# KiCad board pcb.kicad_pcb (continued)
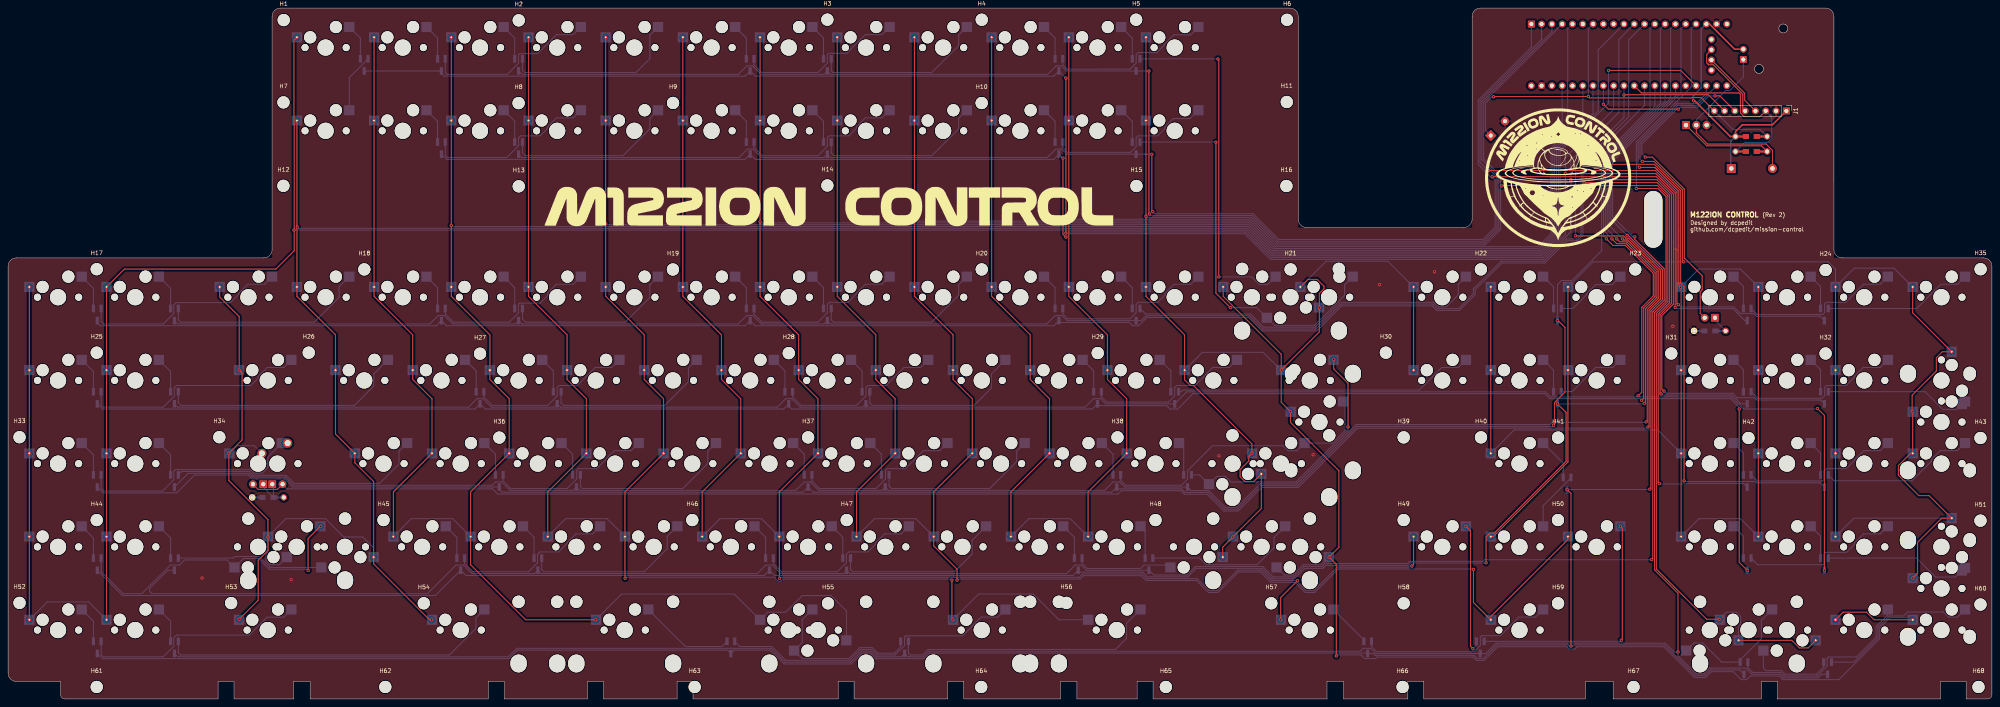
[diagram p0: board, top side]
## Routing (per net, layer and track width the routed paths; a pad name or vN(x,y) marks a point on that pad's centre or on a via; arc(x,y) is an arc through that point) (continued)
ROW12: length 539.2
  Top w0.25: v1(401.45,114.17) 401.39,114.12 401.39,113.6 408.72,106.28 408.72,98.47 405.88,95.63 405.88,34.69 v1(405.61,34.42)
  Bottom w0.25: 400.7,114.44 395.99,119.15 395.99,132.83 412.84,149.69 412.84,165.58 414.02,166.75 ; 400.7,114.44 400.94,114.2 ; 400.7,114.44 400.97,114.17 v1(401.45,114.17) ; v1(405.61,34.42) 405.57,34.38 364.39,34.38 364.01,34 345.91,34 345.36,33.45 325.01,33.45 324.26,32.7 319.83,32.7 317.28,30.16 312.18,30.16 309.63,32.7 293.05,32.7 290.96,30.61 282.73,30.61 D52.3 266.1,31.79 264.82,33.06 263.31,33.06 261.21,30.96 207.77,30.96 D38.3 206.12,30.96 190.72,30.96 188.62,33.06 186.99,33.06 184.89,30.96 131.57,30.96 D24.3 129.92,30.96 114.52,30.96 112.42,33.06 110.53,33.06 103.47,26 35.47,26 34.92,26.54 34.92,27.3 39.41,31.79 D10.3
ROW13: length 592.1
  Top w0.25: v1(401.83,126.11) 407.16,126.11 409.17,124.11 409.17,98.28 406.33,95.45 406.33,31.9 412.12,26.12 v1(412.12,11.56)
  Bottom w0.25: v1(401.83,126.11) 401.83,137.66 415.38,151.21 415.38,165.58 416.56,166.75 ; D53.3 447.54,6.09 446.66,5.21 438.14,5.21 437.26,6.09 430.34,6.09 428.81,7.62 419.98,7.62 418.54,6.19 416.58,6.19 412.12,10.65 v1(412.12,11.56) 411.21,11.56 408.99,13.78 367.23,13.78 364.68,11.23 D39.3 337.53,11.23 336.26,12.5 334.45,12.5 333.72,11.77 227.18,11.77 225.81,10.4 222.06,10.4 D25.3 220.41,10.4 214.28,10.4 212.91,11.77 210.57,11.77 207.89,9.09 191.72,9.09 188.3,12.5 125.54,12.5 123.44,10.4 41.88,10.4 D11.3
RST: length 17.1
  Top w0.25: U1.42 428.57,149.66 428.57,147.96 J1.4
SCK_CAPS: length 490.5
  Top w0.25: MX041.125.3 61.7,51.77 66.45,51.77 MX041.3 ; v1(398.78,149.23) 398.84,149.28 419.62,149.28 J1.7 ; v1(404.71,67.17) 404.98,67.44 404.98,96.01 407.82,98.84 407.82,105.9 399.88,113.84 399.25,113.84 398.7,114.39 386.88,114.39 v1(386.84,114.43)
  Bottom w0.25: v1(386.84,114.43) 386.84,131.74 398.78,143.68 v1(398.78,149.23) 398.78,151.51 ; MX041.3 68.88,51.9 119.55,51.9 120.83,50.62 273.9,50.62 274.72,51.45 289.42,51.45 290.29,50.57 295.92,50.57 300.09,46.41 303.52,46.41 309.36,52.24 318.4,52.24 333.05,66.89 404.43,66.89 v1(404.71,67.17)
Net-(1N1-A): length 48.6
  Top w0.25: 1N1.2 435.43,135.54 433.86,137.1 419.41,137.1 416.63,139.88 TIP1.2
  Bottom w0.25: J2.1 428.24,153.67 424.91,150.34 423.93,150.34 416.63,143.04 TIP1.2
Net-(MX000-ROW): length 9
  Bottom w0.25: MX000.2 86.93,163.28 86.93,158.15
Net-(MX001-ROW): length 14.6
  Bottom w0.25: D1.2 84.2,153.51 MX001.2
Net-(MX002-ROW): length 9
  Bottom w0.25: D12.1 105.98,163.28 MX002.2
Net-(MX003-ROW): length 43.1
  Bottom w0.25: MX003.2 139.48,164.13 135.36,164.13 133.14,161.91 133.14,161.87 130.69,159.42 126.21,159.42 125.98,159.2 125.98,157.1 123.21,154.32 108.33,154.32 107.88,154.77 107.88,158.15
Net-(MX004-ROW): length 9
  Bottom w0.25: D26.1 182.18,163.28 MX004.2
Net-(MX005-ROW): length 41.6
  Bottom w0.25: MX005.2 215.68,164.13 211.56,164.13 208.03,160.6 208.03,160.56 206.98,159.51 202.5,159.51 202.18,159.2 202.18,157.1 199.86,154.77 185.97,154.77 184.08,156.66 D26.2
Net-(MX006-ROW): length 9
  Bottom w0.25: MX006.2 258.38,163.28 D40.1
Net-(MX007-ROW): length 41.5
  Bottom w0.25: D40.2 260.28,156.66 261.05,155.89 ; 261.05,155.89 261.34,155.6 ; 261.05,155.89 261.34,155.6 ; 261.34,155.6 276.9,155.61 278.38,157.1 278.38,159.2 278.87,159.68 283.5,159.68 285.37,161.54 285.37,161.74 287.71,164.08 291.83,164.08 MX007.2
Net-(MX008-LEDGND): length 4.3
  Bottom w0.25: R2.1 421.25,93.56 MX008.4
Net-(MX008-ROW): length 8.9
  Bottom w0.25: MX008.2 428.25,101.9 D54.1
Net-(MX009-ROW): length 39.5
  Bottom w0.25: 463.92,104.33 462.04,102.45 457.93,102.45 455.71,100.23 455.71,100.19 453.51,98 448.73,98 448.31,97.58 448.31,95.48 447.83,95 431.62,95 D54.2
Net-(MX012-ROW): length 9
  Bottom w0.25: D13.1 105.98,142.72 MX012.2
Net-(MX013-ROW): length 43.2
  Bottom w0.25: 107.88,137.59 107.88,134.34 108.46,133.76 123.06,133.76 125.98,136.68 125.98,138.64 126.47,139.12 131.29,139.12 133.14,140.97 133.14,141.35 135.36,143.57 139.48,143.57 MX013.2
Net-(MX014-ROW): length 9
  Bottom w0.25: MX014.2 182.18,142.72 D27.1
Net-(MX015-ROW): length 41.7
  Bottom w0.25: D27.2 184.08,136.27 186.15,134.21 199.86,134.21 202.18,136.54 202.18,138.64 202.67,139.12 207.49,139.12 209.34,140.97 209.34,141.35 211.56,143.57 215.68,143.57 MX015.2
Net-(MX016-ROW): length 9
  Bottom w0.25: MX016.2 258.38,142.72 D41.1
Net-(MX017-ROW): length 41.1
  Bottom w0.25: D41.2 260.28,136.27 261.52,135.04 276.99,135.04 278.38,136.43 278.38,138.64 278.87,139.12 283.69,139.12 285.54,140.97 285.54,141.35 287.57,143.38 291.68,143.38 MX017.2
Net-(MX018-ROW): length 8.9
  Bottom w0.25: D55.1 428.25,81.34 MX018.2
Net-(MX019-ROW): length 39.7
  Bottom w0.25: D55.2 431.76,74.3 447.68,74.3 448.31,74.93 448.31,77.02 448.73,77.44 453.61,77.44 455.71,79.53 455.71,79.79 457.81,81.89 462.04,81.89 463.92,83.77
Net-(MX020-ROW): length 9.1
  Bottom w0.25: MX020.2 21.05,101.45 D2.1
Net-(MX021-ROW): length 51.8
  Bottom w0.25: MX021.2 63.28,102.45 59.16,102.45 56.94,100.23 56.94,99.99 54.86,97.92 41.45,97.92 40.89,97.36 40.89,95.26 38.28,92.64 23.62,92.64 22.95,93.31 D2.2
Net-(MX022-ROW): length 9
  Bottom w0.25: MX022.2 105.98,101.6 D14.1
Net-(MX023-ROW): length 41.9
  Bottom w0.25: 107.88,96.47 107.88,95.12 109.91,93.09 123.66,93.09 125.98,95.42 125.98,97.52 126.26,97.79 131.32,97.79 133.14,99.61 133.14,100.25 135.35,102.45 139.48,102.45 MX023.2
Net-(MX024-ROW): length 9
  Bottom w0.25: D28.1 182.18,101.6 MX024.2
Net-(MX025-ROW): length 41.7
  Bottom w0.25: D28.2 184.08,95.06 186.06,93.09 199.86,93.09 202.18,95.42 202.18,97.52 202.67,98 207.26,98 209.34,100.08 209.34,100.23 211.56,102.45 215.68,102.45 MX025.2
Net-(MX026-ROW): length 9
  Bottom w0.25: MX026.2 258.38,101.6 D42.1
Net-(MX027-ROW): length 41.1
  Bottom w0.25: D42.2 260.28,95.15 261.52,93.92 276.88,93.92 278.38,95.42 278.38,97.52 278.87,98 283.72,98 285.54,99.82 285.54,100.23 287.76,102.45 291.88,102.45 MX027.2
Net-(MX028-ROW): length 8.9
  Bottom w0.25: D56.1 428.25,60.78 MX028.2
Net-(MX029-ROW): length 39.6
  Bottom w0.25: D56.2 431.65,53.85 447.8,53.85 448.18,54.23 448.18,56.33 448.73,56.88 453.63,56.88 455.71,58.96 455.71,59.11 457.93,61.33 462.04,61.33 463.92,63.21
Net-(MX030-ROW): length 9.1
  Bottom w0.25: MX030.2 21.05,80.89 D3.1
Net-(MX031-ROW): length 56.8
  Bottom w0.25: D3.2 22.95,72.59 23.47,72.08 38.27,72.08 41.02,74.83 41.02,76.93 41.54,77.44 59.89,77.44 61.7,79.25 61.7,79.67 63.93,81.89 68.04,81.89 MX031.2
Net-(MX032-ROW): length 9
  Bottom w0.25: D15.1 115.51,81.04 MX032.2
Net-(MX033-ROW): length 41.5
  Bottom w0.25: D15.2 117.41,74.59 119.47,72.53 133.18,72.53 135.51,74.86 135.51,76.96 135.99,77.44 140.47,77.44 142.67,79.63 142.67,79.67 144.89,81.89 149,81.89 MX033.2
Net-(MX034-ROW): length 9
  Bottom w0.25: MX034.2 191.71,81.04 D29.1
Net-(MX035-ROW): length 41.5
  Bottom w0.25: MX035.2 225.2,81.89 221.09,81.89 217.4,78.21 217.4,78.17 216.67,77.44 212.19,77.44 211.71,76.96 211.71,74.86 209.38,72.53 195.67,72.53 193.61,74.59 D29.2
Net-(MX036-ROW): length 9
  Bottom w0.25: MX036.2 267.91,81.04 D43.1
Net-(MX037-ROW): length 40.9
  Bottom w0.25: MX037.2 301.4,81.89 297.29,81.89 295.07,79.67 295.07,79.55 292.96,77.44 288.39,77.44 287.91,76.96 287.91,74.86 286.41,73.36 271.07,73.36 269.81,74.62 D43.2
Net-(MX038-ROW): length 8.9
  Bottom w0.25: MX038.2 428.25,40.22 D57.1
Net-(MX039-ROW): length 40
  Bottom w0.25: D57.2 431.79,33.15 447.93,33.15 448.18,33.4 448.18,35.77 448.63,36.22 453.7,36.22 455.71,38.23 455.71,38.55 457.93,40.77 462.04,40.77 463.92,42.65
Net-(MX040-ROW): length 9.1
  Bottom w0.25: D4.1 21.05,60.33 MX040.2
Net-(MX041-LEDGND): length 7.7
  Bottom w0.25: MX041.125.4 62.96,52.31 R1.1 65.48,52.75 MX041.4
Net-(MX041-ROW): length 58
  Bottom w0.25: D4.2 22.95,52.03 23.63,51.36 38.11,51.36 40.89,54.14 40.89,56.24 41.3,56.64 59.83,56.64 60.71,55.76 62.7,55.76 64.08,57.15 64.08,59.76 MX041.125.2 MX041.2
Net-(MX042-ROW): length 9
  Bottom w0.25: MX042.2 120.27,60.48 D16.1
Net-(MX043-ROW): length 41.7
  Bottom w0.25: D16.2 122.17,53.85 124.05,51.97 137.95,51.97 140.33,54.36 140.33,56.46 140.75,56.88 145.27,56.88 147.43,59.04 147.43,59.16 149.6,61.33 153.76,61.33 MX043.2
Net-(MX044-ROW): length 9
  Bottom w0.25: MX044.2 196.47,60.48 D30.1
Net-(MX045-ROW): length 41.7
  Bottom w0.25: D30.2 198.37,53.85 200.25,51.97 214.15,51.97 216.53,54.36 216.53,56.46 216.95,56.88 221.47,56.88 223.63,59.04 223.63,59.11 225.85,61.33 229.96,61.33 MX045.2
Net-(MX046-ROW): length 9
  Bottom w0.25: D44.1 272.67,60.48 MX046.2
Net-(MX047-ROW): length 72.4
  Bottom w0.25: MX047.200.2 329.96,73 329.96,66.35 326.82,63.21 MX047.2 318.07,61.33 315.86,61.33 314.65,62.54 297.23,62.54 291.08,56.4 291.08,54.3 289.58,52.8 275.75,52.8 274.57,53.98 D44.2
Net-(MX048-ROW): length 8.9
  Bottom w0.25: MX048.2 381.42,101.75 D58.1
Net-(MX049-ROW): length 18
  Bottom w0.25: MX049.2 395.92,102.36 391.8,102.36 389.67,100.23 389.67,99.99 386.15,96.47 D58.2
Net-(MX050-ROW): length 9.1
  Bottom w0.25: D5.1 21.05,39.77 MX050.2
Net-(MX051-ROW): length 75.2
  Top w0.25: v1(74.04,31.75) 74.04,39.63 v1(77.06,42.65)
  Bottom w0.25: v1(74.04,31.75) 73.75,32.04 64.48,32.04 61.85,34.67 58.05,34.67 55.87,32.49 MX051.125.2 54,34.34 43.55,34.34 42.28,33.06 40.05,33.06 32.98,26 28.43,26 22.95,31.47 D5.2
Net-(MX052-ROW): length 9
  Bottom w0.25: MX052.2 110.75,39.92 D17.1
Net-(MX053-ROW): length 41.6
  Bottom w0.25: D17.2 112.65,33.47 114.71,31.41 128.42,31.41 130.68,33.67 130.68,35.77 131.23,36.32 135.87,36.32 137.9,38.35 137.9,38.55 140.13,40.77 144.24,40.77 MX053.2
Net-(MX054-ROW): length 9
  Bottom w0.25: D31.1 186.95,39.92 MX054.2
Net-(MX055-ROW): length 41.7
  Bottom w0.25: MX055.2 220.44,40.77 216.33,40.77 214.1,38.55 214.1,38.23 212.2,36.32 207.43,36.32 206.88,35.77 206.88,33.67 204.62,31.41 190.91,31.41 188.85,33.47 D31.2
Net-(MX056-ROW): length 9
  Bottom w0.25: MX056.2 263.15,39.92 D45.1
Net-(MX057-ROW): length 24.2
  Bottom w0.25: MX057.2 286.26,33.06 280.33,33.06 279.51,32.24 266.28,32.24 265.05,33.47 D45.2
Net-(MX058-ROW): length 8.9
  Bottom w0.25: MX058.2 381.42,81.19 D59.1
Net-(MX059-ROW): length 17.9
  Bottom w0.25: MX059.2 396.01,81.89 391.77,81.89 390.11,80.23 390.11,80.07 385.95,75.91 D59.2
Net-(MX060-ROW): length 9.1
  Bottom w0.25: MX060.2 21.05,19.21 D6.1
Net-(MX061-ROW): length 56.6
  Bottom w0.25: D6.2 22.95,10.91 23.46,10.4 38.28,10.4 40.89,13.02 40.89,15.12 41.54,15.76 59.51,15.76 61.7,17.95 61.7,17.99 63.9,20.19 68.02,20.19 MX061.2
Net-(MX062-ROW): length 23.7
  Bottom w0.25: D18.1 176.15,12.95 167.16,12.95 MX062.2
Net-(MX063-ROW): length 76.3
  Bottom w0.25: D18.2 180.6,12.95 188.49,12.95 191.91,9.54 207.7,9.54 210.39,12.22 213.09,12.22 214.47,10.85 218.91,10.85 221.23,13.18 221.23,15.28 221.55,15.59 235.56,15.59 237.92,17.95 237.92,17.99 240.14,20.21 244.25,20.21 MX063.2
Net-(MX064-ROW): length 11
  Bottom w0.25: D32.1 334.58,14.59 MX064.2
Net-(MX065-ROW): length 49.7
  Bottom w0.25: D32.2 336.48,12.91 337.72,11.68 361.82,11.68 363.35,13.21 363.35,15.31 363.66,15.62 368.29,15.62 370.94,18.27 370.94,18.31 372.85,20.21 376.96,20.21 MX065.2
Net-(MX066-ROW): length 32.3
  Bottom w0.25: MX066.2 432.7,19.44 432.7,14.88 427.45,9.64 D46.1 422.93,9.09 418.21,13.8 416.01,13.8 MX066.100.2
Net-(MX067-ROW): length 47
  Bottom w0.25: D46.2 429.35,7.71 430.53,6.54 437.45,6.54 438.33,5.66 446.47,5.66 448.94,8.13 448.94,10.04 449.27,10.36 456.13,10.36 461.01,15.24 461.01,17.9 463.92,20.81 463.92,22.09
Net-(MX068-ROW): length 10.6
  Bottom w0.25: MX068.2 383.8,58.25 D60.1
Net-(MX069-ROW): length 14.9
  Bottom w0.25: D60.2 385.7,54.6 378.83,47.74 MX069.2
Net-(MX072-ROW): length 9
  Bottom w0.25: MX072.2 125.03,163.28 D19.1
Net-(MX073-ROW): length 44.5
  Bottom w0.25: MX073.2 158.39,164 158.39,158.22 154.94,154.77 127.51,154.77 126.93,155.35 D19.2
Net-(MX074-ROW): length 9
  Bottom w0.25: D33.1 201.23,163.28 MX074.2
Net-(MX075-ROW): length 42.8
  Bottom w0.25: MX075.2 234.59,164 234.59,161.41 227.95,154.77 203.58,154.77 203.13,155.22 D33.2
Net-(MX076-ROW): length 9
  Bottom w0.25: D47.1 277.43,163.28 MX076.2
Net-(MX077-ROW): length 88.8
  Top w0.25: v1(298.79,104.27) 298.79,104.27 298.79,157.9 v1(298.58,158.12)
  Bottom w0.25: MX077.2 310.83,102.36 308.82,102.36 306.91,104.27 v1(298.79,104.27) ; D47.2 298.54,158.15 v1(298.58,158.12)
Net-(MX078-ROW): length 8.9
  Bottom w0.25: D61.1 447.3,101.9 MX078.2
Net-(MX079-ROW): length 37.1
  Bottom w0.25: D61.2 471.03,96.47 474.76,100.19 474.76,100.23 476.98,102.45 481.09,102.45 MX079.2
Net-(MX082-ROW): length 9
  Bottom w0.25: MX082.2 125.03,142.72 D20.1
Net-(MX083-ROW): length 42.6
  Bottom w0.25: D20.2 126.93,134.91 127.64,134.21 151.75,134.21 158.39,140.85 158.39,143.44 MX083.2
Net-(MX084-ROW): length 9
  Bottom w0.25: MX084.2 201.23,142.72 D34.1
Net-(MX085-ROW): length 42.6
  Bottom w0.25: MX085.2 234.59,143.44 234.59,140.85 227.95,134.21 203.83,134.21 203.13,134.91 D34.2
Net-(MX086-ROW): length 9
  Bottom w0.25: D48.1 277.43,142.72 MX086.2
Net-(MX087-ROW): length 99.6
  Top w0.25: v1(298.07,137.54) 298.07,100.27 v1(301.66,96.68)
  Bottom w0.25: v1(298.07,137.54) 298.02,137.59 D48.2 ; MX087.2 329.84,102.32 329.84,99.73 322.4,92.29 312.52,92.29 MX087.200.2 308.13,96.68 v1(301.66,96.68)
Net-(MX088-ROW): length 8.9
  Bottom w0.25: D62.1 447.3,81.34 MX088.2
Net-(MX089-ROW): length 36.4
  Bottom w0.25: D62.2 473.06,75.91 477.47,71.5 480.86,71.5 482.21,72.85 482.33,72.85 MX089.2
Net-(MX090-ROW): length 9.1
  Bottom w0.25: D7.1 40.1,101.45 MX090.2
Net-(MX091-ROW): length 51.4
  Bottom w0.25: MX091.2 81.66,101.79 81.66,99.2 75.55,93.09 42.55,93.09 42,93.63 D7.2
Net-(MX092-ROW): length 9
  Bottom w0.25: D21.1 125.03,101.6 MX092.2
Net-(MX093-ROW): length 42.8
  Bottom w0.25: D21.2 126.93,93.92 127.76,93.09 152.27,93.09 158.37,99.19 158.37,102.3 MX093.2
Net-(MX094-ROW): length 9
  Bottom w0.25: MX094.2 201.23,101.6 D35.1
Net-(MX095-ROW): length 42.7
  Bottom w0.25: D35.2 203.13,93.67 203.71,93.09 227.95,93.09 234.59,99.73 234.59,102.32 MX095.2
Net-(MX096-ROW): length 9
  Bottom w0.25: D49.1 277.43,101.6 MX096.2
Net-(MX097-ROW): length 90
  Bottom w0.25: MX097.2 357.89,102.43 357.89,99.84 354.92,96.88 352.96,96.88 351.84,98 328.75,98 322.59,91.84 309.86,91.84 306.57,95.13 280.67,95.13 D49.2
Net-(MX098-ROW): length 8.9
  Bottom w0.25: MX098.2 447.3,60.78 D63.1
Net-(MX099-ROW): length 38.5
  Bottom w0.25: D63.2 450.64,53.9 469.85,53.9 474.67,58.72 474.67,59.16 476.85,61.33 481.09,61.33 MX099.2
Net-(MX100-ROW): length 9.1
  Bottom w0.25: D8.1 40.1,80.89 MX100.2
Net-(MX101-ROW): length 61.1
  Bottom w0.25: MX101.2 90.25,80.3 90.25,77.31 85.47,72.53 42.67,72.53 42,73.2 D8.2
Net-(MX102-ROW): length 9
  Bottom w0.25: D22.1 134.56,81.04 MX102.2
Net-(MX103-ROW): length 43.1
  Bottom w0.25: D22.2 136.46,73.11 137.03,72.53 162.05,72.53 167.89,78.37 167.89,81.74 MX103.2
Net-(MX104-ROW): length 9
  Bottom w0.25: MX104.2 210.76,81.04 D36.1
Net-(MX105-ROW): length 43.2
  Bottom w0.25: MX105.2 242.65,80.3 242.65,76.81 238.38,72.53 213.23,72.53 212.66,73.11 D36.2
Net-(MX106-ROW): length 9
  Bottom w0.25: D50.1 286.96,81.04 MX106.2
Net-(MX107-ROW): length 74.2
  Bottom w0.25: MX107.2 357.91,81.89 353.8,81.89 351.57,79.67 351.57,79.63 348.26,76.32 289.97,76.32 289.56,75.91 D50.2
Net-(MX108-ROW): length 8.9
  Bottom w0.25: D64.1 447.3,40.22 MX108.2
Net-(MX109-ROW): length 36.7
  Bottom w0.25: MX109.2 482.33,31.73 482.21,31.73 480.58,30.1 475.7,30.1 471.01,34.79 D64.2
Net-(MX110-ROW): length 9.1
  Bottom w0.25: D9.1 40.1,60.33 MX110.2
Net-(MX111-ROW): length 64
  Bottom w0.25: D9.2 42.85,56.19 59.64,56.19 60.58,55.26 68.6,55.26 70.6,53.25 91.69,53.25 96.48,58.03 96.48,61.2 MX111.2
Net-(MX112-ROW): length 9
  Bottom w0.25: D23.1 139.32,60.48 MX112.2
Net-(MX113-ROW): length 43
  Bottom w0.25: D23.2 141.22,52.48 141.73,51.97 166.5,51.97 172.68,58.15 172.68,61.2 MX113.2
Net-(MX114-ROW): length 9
  Bottom w0.25: MX114.2 215.52,60.48 D37.1
Net-(MX115-ROW): length 42.6
  Bottom w0.25: D37.2 217.42,52.61 218.06,51.97 242.24,51.97 248.92,58.65 248.92,61.24 MX115.2
Net-(MX116-ROW): length 8.3
  Bottom w0.25: MX116.2 290.13,62.06 D51.1
Net-(MX117-ROW): length 65.1
  Top w0.25: v1(327.15,83.82) 327.15,81.53 330.68,78 v1(330.68,67.18)
  Bottom w0.25: D51.2 294.06,55.35 MX117.100.2 298.3,54.99 300.37,54.99 301.76,53.59 317.84,53.59 330.68,66.43 v1(330.68,67.18)
Net-(MX120-ROW): length 9.1
  Bottom w0.25: D10.1 40.1,39.77 MX120.2
Net-(MX121-ROW): length 36.6
  Bottom w0.25: MX121.2 64.66,32.49 61.95,35.2 56.04,35.2 55.63,34.79 D10.2
Net-(MX122-ROW): length 9
  Bottom w0.25: D24.1 129.8,39.92 MX122.2
Net-(MX123-ROW): length 43
  Bottom w0.25: MX123.2 162.64,40.12 162.64,37.08 156.97,31.41 132.21,31.41 131.7,31.92 D24.2
Net-(MX124-ROW): length 9
  Bottom w0.25: MX124.2 206,39.92 D38.1
Net-(MX125-ROW): length 43.2
  Bottom w0.25: MX125.2 237.89,39.18 237.89,35.75 233.55,31.41 208.41,31.41 207.9,31.92 D38.2
Net-(MX126-ROW): length 8.3
  Bottom w0.25: D52.1 280.61,41.5 MX126.2
Net-(MX127-ROW): length 38.8
  Bottom w0.25: MX127.2 312.42,39.89 312.42,37.3 308.28,33.15 295.7,33.15 294.07,34.79 D52.2
Net-(MX130-ROW): length 9.1
  Bottom w0.25: D11.1 40.1,19.21 MX130.2
Net-(MX131-ROW): length 84.8
  Bottom w0.25: D11.2 42,11.39 42.55,10.85 108.89,10.85 115.44,17.41 115.44,19.99 MX131.2
Net-(MX132-ROW): length 42.9
  Bottom w0.25: MX132.2 195.97,19.56 195.97,13.94 MX132.225.2 195.9,9.99 207.51,9.99 210.2,12.67 213.28,12.67 214.65,11.3 218.72,11.3 220.28,12.86 D25.1
Net-(MX133-ROW): length 67.2
  Bottom w0.25: MX133.2 275.99,18.62 275.99,14.91 273.3,12.22 226.99,12.22 225.62,10.85 222.63,10.85 222.18,11.3 D25.2
Net-(MX134-ROW): length 33.1
  Top w0.25: v1(361.5,12.4) 360.92,12.99 360.92,41.52 v1(359.78,42.65)
  Bottom w0.25: D39.1 362.37,13.27 v1(361.5,12.4)
Net-(MX135-ROW): length 62.4
  Top w0.25: v1(397.88,42.65) 398.37,42.16 398.37,14.73 v1(398.14,14.5)
  Bottom w0.25: v1(398.14,14.5) 397.87,14.23 D39.2
Net-(MX136-ROW): length 21.8
  Bottom w0.25: D53.1 448.09,7.91 446.29,6.11 438.51,6.11 437.63,6.99 433.83,6.99 433.18,7.64 433.18,11.93
Net-(MX137-ROW): length 41
  Bottom w0.25: D53.2 455.49,9.09 461.46,15.05 461.46,17.71 464.26,20.51 467.83,20.51 468.78,21.46 477.64,21.46 478.89,20.21 481.09,20.21 MX137.2
Net-(TIP1-B): length 22.7
  Top w0.25: R4.2 432.72,136.65 419.23,136.65 TIP1.1

## Copper pours and planes (outline as drawn; the poured copper is in the pictures)
GND on Top, Bottom: 0,108.97 65.15,108.97 65.15,170.69 318.39,170.69 318.39,116.46 361.31,116.46 361.19,170.69 450.6,170.69 450.6,108.97 489.58,108.97 489.58,0 0,0

## Text on the board
F.Silkscreen: Designed by dcpedit / github.com/dcpedit/mission-control | (Rev 2) | M122ION CONTROL
User.1: Vertical grid spacing for keys: 5.140005 mm
